# KiCad board bsl_drv_v1.kicad_pcb (continued)
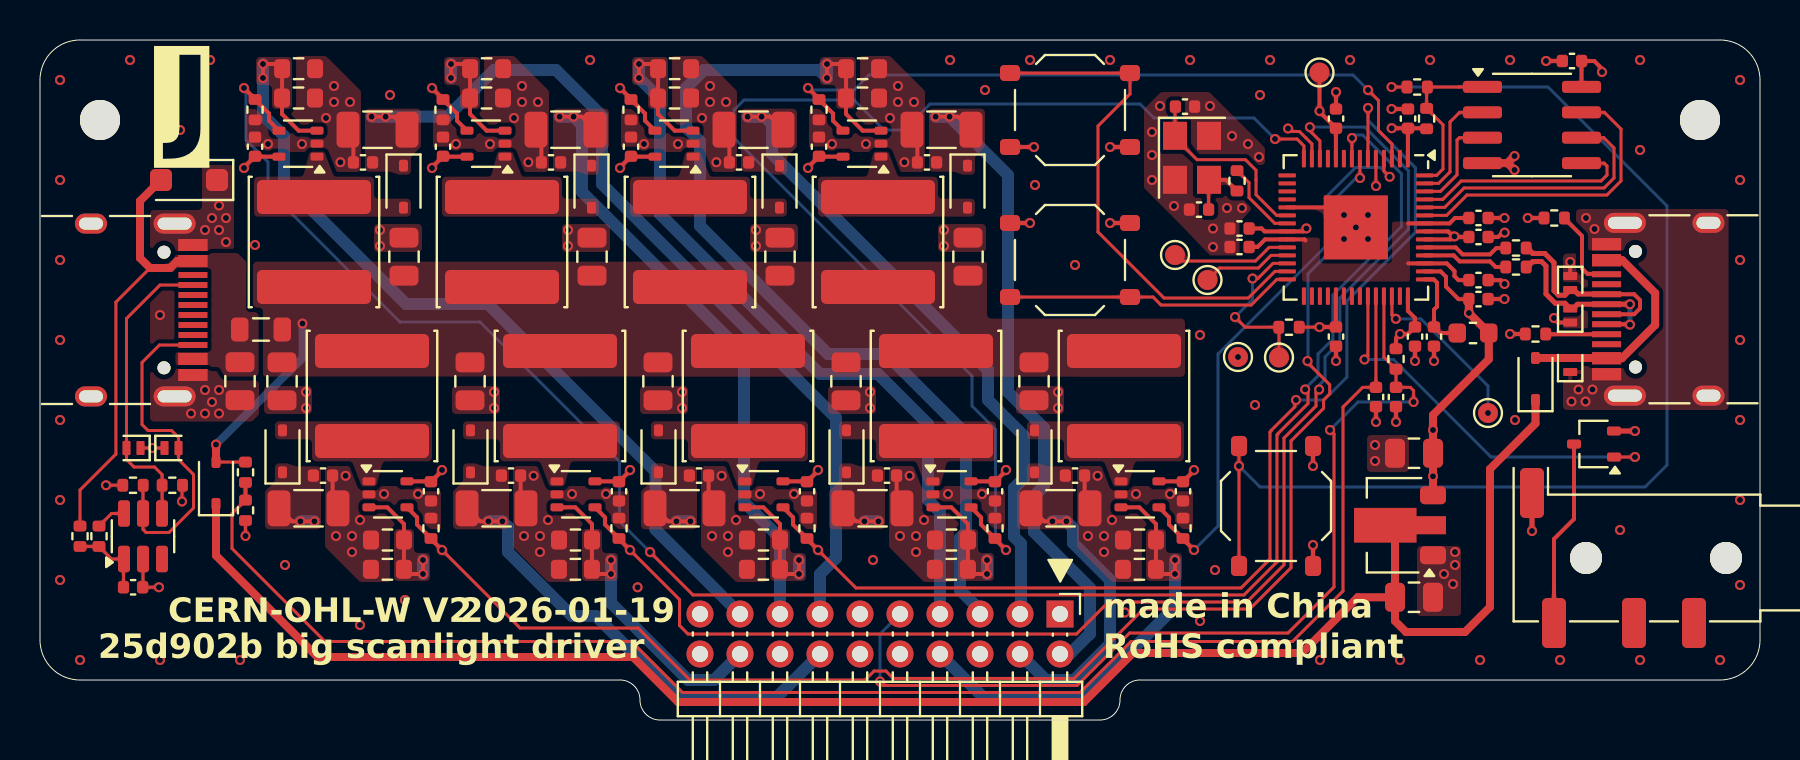
[diagram p0: board, top side]
## Routing (per net, layer and track width the routed paths; a pad name or vN(x,y) marks a point on that pad's centre or on a via; arc(x,y) is an arc through that point)
+1V1: length 9.7
  Top w0.15: 68.42,22.83 68.4,22.85 ; 68.41,24.83 68.4,24.82
  Top w0.2: C109.1 70.93,22 70.72,22.2 70.73,22.2 70.73,22.44 70.34,22.83 U102.45 68.42,22.83 ; C102.1 60.88,23.65 61.25,24.03 U102.23 63.22,24.03 63.27,23.98 ; C101.1 70.75,25.1 70.48,24.83 U102.50 68.41,24.83
+3V3: length 210.3
  Top w0.15: R104.2 63.97,19.64 v1(63.97,19.65)
  Top w0.2: 38.4,27.63 C1002.1 38.97,28.17 U1001.5 ; 38.4,27.63 v1(38.4,27.6) 38.4,27.63 ; 72.25,19.55 72.25,19.35 ; v1(57.7,12.5) 57.7,12.47 C302.1 57.13,11.94 U301.5 ; v1(29,27.6) 29,27.63 C502.1 29.57,28.17 U501.5 ; 70.75,24.15 70.65,24.15 ; 70.75,24.15 C107.1 ; 70.75,24.15 v1(70.72,24.18) 70.69,24.15 70.65,24.15 ; 70.65,24.15 70.53,24.03 U102.48 ; v1(63.32,24.58) 63.17,24.43 U102.22 61.23,24.43 61.08,24.58 60.46,24.58 C104.1 ; C110.1 70.92,21.05 70.3,21.67 70.3,22.16 70.03,22.43 U102.44 ; v1(29.5,12.5) 29.5,12.47 C602.1 28.93,11.94 U601.5 ; U102.42 68.39,20.46 68.75,20.1 C105.1 68.4,19.3 v1(68,19.3) 67.8,19.1 R109.1 ; U801.5 20.17,28.17 C802.1 19.6,27.63 v1(19.6,27.6) ; U102.1 68.39,29.59 C108.1 ; U701.5 38.33,11.94 C702.1 38.9,12.47 v1(38.9,12.5) ; U401.5 10.77,28.17 C402.1 10.2,27.63 ; U1101.5 19.53,11.94 C1102.1 20.1,12.47 v1(20.1,12.5) ; C108.1 v1(67.58,29.59) 67.57,29.6 ; C108.1 69.3,29.59 R105.1 ; U901.5 47.73,11.94 C902.1 48.3,12.47 v1(48.3,12.5) ; U102.10 64.8,29.58 C106.1 64.04,30.35 64.04,30.39 v1(63.97,30.45) TP101.1 ; U101.8 77.08,32.95 C112.1 77.71,32.95 78.1,32.56 v1(78.1,32.4) ; 70.65,24.18 70.4,24.43 U102.49 ; v1(63.97,19.65) 63.98,19.65 C103.1 64.8,19.66 U102.33
  Top w0.4: U202.3 v1(69.65,14.5) 69.65,15.25 72.44,18.04 FB101.1 ; C110.1 v1(71.45,20.35) 72.25,19.55
  In2.Cu w0.6: v1(63.32,24.58) 63.32,20.3 v1(63.97,19.65) 64.32,19.3 v1(68,19.3) 70.16,19.3 70.8,18.66 ; v1(63.97,30.45) 65.35,30.45 66.2,29.6 67.57,29.6 v1(67.58,29.59) 68.91,29.59 70.65,27.85 ; 70.65,24.25 v1(70.72,24.18) 70.72,24.16
  In2.Cu w1: 48.31,12.6 48.3,12.62 48.3,18.8 ; 37.48,14 38.93,12.55 ; 37.48,14 32.6,14 31.1,12.5 v1(29.5,12.5) 25.9,12.5 25.24,13.16 20.76,13.16 v1(20.1,12.5) ; 37.48,14 41.08,17.6 43.2,17.6 45.8,20.2 ; 48.3,18.8 52.8,18.8 57.7,13.9 v1(57.7,12.5) 58.7,11.5 68.96,11.5 v1(69.65,12.19) v1(69.65,14.5) 70.8,15.65 70.8,18.66 71.44,19.3 v1(71.44,20.35) 71.44,23.44 70.72,24.16 ; 48.3,18.8 46.9,20.2 45.8,20.2 ; v1(10.2,27.6) 11.1,26.7 15.5,26.7 16.4,27.6 v1(19.6,27.6) 20.5,26.7 25.4,26.7 26.3,27.6 v1(29,27.6) 29.9,26.7 35.2,26.7 36.1,27.6 v1(38.4,27.6) 45.8,20.2 ; v1(78.1,32.4) 75.7,30 72.8,30 70.65,27.85 70.65,24.25
/VBUS_SENSE: length 80
  Top w0.15: R108.1 9.6,10.32 9.6,8.58 14.25,3.93 29.58,3.93 32.12,1.38 52,1.38 54.55,3.93 62.63,3.93 65.15,6.45 65.15,15.65 66.13,16.63 C115.1 66.8,16.98 66.8,16.99 U102.38
  Top w0.2: R107.1 R108.1
GND: length 50
  Top w0.15: R108.2 v1(10.28,9.2) ; v1(5.95,6.64) C202.2 5.15,6.65 U201.2 ; D202.1 D203.1 ; v1(3.3,11.74) R203.1 ; R204.2 7.1,11.71 v1(7.1,10.93)
  Top w0.2: C503.2 34.47,29.25 C504.2 ; C604.2 24.03,10.86 C603.2 ; C904.2 42.83,10.86 C903.2 ; v1(68.75,17.95) C105.2 ; v1(73.23,24.37) 73.12,24.37 72.9,24.15 C107.2 ; C1103.2 14.63,10.86 C1104.2 ; C110.2 72.41,21.05 v1(73.22,21.05) ; v1(65.8,24.63) 64.8,25.63 U102.19 ; SW102.1 v1(53.5,24.85) ; v1(76.51,22.9) D206.1 ; v1(67.58,30.55) C108.2 ; C403.2 15.67,29.25 C404.2 ; 59.42,24.5 C104.2 ; C304.2 52.23,10.86 C303.2 ; v1(67.8,14.9) C116.2 ; SW103.1 v1(49.7,28.65) ; C703.2 33.43,10.86 C704.2 ; C103.2 v1(64.8,17.95) ; C804.2 25.07,29.25 C803.2 ; R206.2 v1(73.5,19.3) ; v1(74.39,25.1) R205.1 ; D207.1 75.92,19.88 v1(75.7,20.1) ; v1(69.7,17.95) C111.2 ; SW103.1 v1(53.5,28.65) ; C109.2 73.03,22 v1(73.23,21.8) ; 59.4,23.55 59.5,23.65 ; SW102.1 v1(49.5,24.85) ; C106.2 v1(64.8,31.4) ; SW101.1 v1(63.65,12.7) ; C1004.2 43.87,29.25 C1003.2 ; C101.2 v1(73.22,25.1) ; SW101.1 v1(63.65,8.75) ; C112.2 v1(75.3,32.95) ; v1(66.8,14.9) C115.2
  Top w0.25: Q101.2 v1(79.75,14.45) ; J102.S v1(74.6,9.45)
  Top w0.4: U101.4 73.37,27.85 ; 73.37,27.85 73.38,27.85 v1(73.72,27.5) ; 73.37,27.85 v1(73.72,28.2)
  vias: v1(1,32) v1(1,27) v1(1,23) v1(1,19) v1(1,15) v1(1,11) v1(1,7) v1(2,3) v1(4.5,33) v1(5.62,13.6) v1(6,20.25) v1(6,3) v1(7,29.5) v1(7.55,15.33) v1(8.25,24.5) v1(8.25,16.5) v1(8.25,15.33) v1(8.5,33) v1(8.6,25.1) v1(8.6,15.9) v1(8.95,25.73) v1(8.95,24.5) v1(8.95,16.5) v1(8.95,15.33) v1(9.3,25.1) v1(9.3,23.9) v1(10,3) v1(10.75,23.75) v1(11.4,28.8) v1(12.25,7.75) v1(13.1,28.8) v1(13.3,16.4) v1(13.3,15.6) v1(14.3,30.1) v1(14.7,31.7) v1(14.7,30.9) v1(14.8,9.2) v1(15.02,27.89) v1(15.28,12.21) v1(15.5,30.9) v1(15.6,9.2) v1(15.6,8.4) v1(16,10) v1(16,4.75) v1(17,24.5) v1(17,23.7) v1(17.2,11.3) v1(17.5,31.25) v1(18.25,6) v1(18.9,11.3) v1(20.8,28.8) v1(22.5,28.8) v1(22.7,16.4) v1(22.7,15.6) v1(23.7,30.1) v1(24.1,31.7) v1(24.1,30.9) v1(24.2,9.2) v1(24.42,27.89) v1(24.68,12.21) v1(24.9,30.9) v1(25,9.2) v1(25,8.4) v1(25.4,10) v1(26.4,24.5) v1(26.4,23.7) v1(26.6,11.3) v1(27.5,33) v1(28.3,11.3) v1(29.88,6.64) v1(30.2,28.8) v1(31.9,28.8) v1(32.1,16.4) v1(32.1,15.6) v1(33.1,30.1) v1(33.5,31.7) v1(33.5,30.9) v1(33.6,9.2) v1(33.82,27.89) v1(34.08,12.21) v1(34.3,30.9) v1(34.4,9.2) v1(34.4,8.4) v1(34.8,10) v1(35.8,24.5) v1(35.8,23.7) v1(36,11.3) v1(37.7,11.3) v1(39.6,28.8) v1(41.3,28.8) v1(41.5,16.4) v1(41.5,15.6) v1(41.65,8) v1(42.5,30.1) v1(42.9,31.7) v1(42.9,30.9) v1(43,9.2) v1(43.22,27.89) v1(43.48,12.21) v1(43.7,30.9) v1(43.8,9.2) v1(43.8,8.4) v1(44.2,10) v1(45.2,24.5) v1(45.2,23.7) v1(45.4,11.3) v1(45.5,33) v1(47.1,11.3) v1(47.25,31.5) v1(49.5,33) v1(49.75,26.75) v1(50.9,16.4) v1(50.9,15.6) v1(51.75,22.75) v1(52.4,9.2) v1(52.88,12.21) v1(53.2,9.2) v1(53.2,8.4) v1(53.5,33) v1(53.6,10) v1(54.25,5.38) v1(54.8,11.3) v1(55.6,29.4) v1(55.6,28.25) v1(55.6,27) v1(56,30.7) v1(56.5,11.3) v1(56.7,25.7) v1(57.5,33) v1(58,19.25) v1(58,4.95) v1(58.5,30.7) v1(58.65,24.58) v1(58.65,23.65) v1(58.75,7.5) v1(59.35,25.6) v1(59.6,29.2) v1(59.9,18.15) v1(60.1,25.6) v1(60.4,28.8) v1(60.75,15.75) v1(61,31.25) v1(60.95,28.15) v1(61.5,33) v1(64,3) v1(65.2,25.25) v1(65.2,24.05) v1(65.5,33) v1(66.4,25.25) v1(66.4,24.05) v1(66.75,13.75) v1(66.75,12.95) v1(68,3) v1(69.5,33) v1(70.2,7.3) v1(70.65,6.8) v1(70.75,8.4) v1(70.75,7.75) v1(72,3) v1(73.5,33) v1(73.75,15) v1(76,3) v1(76.58,15.93) v1(76.93,16.53) v1(77.3,25.1) v1(77.28,15.93) v1(77.63,16.53) v1(77.73,24.55) v1(79,9.5) v1(80,33) v1(80,28.5) v1(80,3) v1(84,3) v1(85,32) v1(85,27) v1(85,23) v1(85,19) v1(85,15) v1(85,11) v1(85,6.75)
VBUS: length 10.2
  Top w0.15: R107.2 10.27,12.9 D204.2
  Top w0.4: D204.2 v1(8.8,13.78)
  Bottom w0.4: v1(13.13,19.83) 13.13,18.1 v1(8.8,13.78)
VDDA: length 4.3
  Top w0.2: U102.43 69.69,22.03 69.85,21.87 69.85,20.67 69.7,20.52 C111.1 70,19.35 FB101.2
/B1: length 56.7
  Top w0.15: v1(62.8,16) 62.74,15.94 62.74,15.66 61.55,14.47 61.55,14.44 61.5,14.39 61.5,8.05 60.05,6.6 40.8,6.6 v1(38.9,8.5) ; v1(66.4,30.6) 66.4,29.1 66.4,29.1 U102.6
  Top w0.2: v1(38.9,8.5) 38.35,9.05 R701.1 37.65,9.78 37.65,10.13 37.15,10.64
  Bottom w0.15: v1(66.4,30.6) 66.4,29.98 68.77,27.61 68.77,24.38 65.34,20.95 65.34,17.14 64.2,16 64.18,16 64.18,16 63.74,16 v1(62.8,16)
/B1+: length 38.4
  Top w0.2: C704.1 31.4,9.94 v1(31.82,9.94) v1(32.52,9.94)
  In2.Cu w0.6: J101.6 48.3,2 51.7,2 52.5,2.8 52.5,6.8 49,10.3 46.6,10.3 46.35,10.55 46.35,11.55 44.94,12.96 43.11,12.96 40.65,10.5 35.5,10.5 35.2,10.8 33.8,10.8 32.94,9.94 v1(32.52,9.94) v1(31.82,9.94)
  Bottom w0.6: v1(31.82,9.94) v1(32.52,9.94)
/B1-: length 64.9
  Top w0.2: v1(37.95,8) v1(37.95,7.3) 37.23,7.3 R702.1 ; 37.01,7.55 R702.1 ; R702.1 37,9 R703.1 37,9.8 36.17,10.64 35.25,10.64
  In2.Cu w0.6: 37.65,7.6 37.65,7.7 v1(37.95,8) v1(37.95,7.3) 37.65,7.6 ; 37.65,7.6 32.7,7.6 30.9,9.4 30.9,10.57 33.29,12.96 34.39,12.96 35.15,12.2 37.86,12.2 38.51,11.55 40.4,11.55 42.75,13.9 45.6,13.9 47.9,11.6 51.6,11.6 52.3,10.9 53.76,10.9 54.35,10.31 54.35,7.75 53.5,6.9 53.5,2.4 52.1,1 45.3,1 J101.10
  Bottom w0.6: v1(37.95,7.3) v1(37.95,8)
/B2: length 51.2
  Top w0.15: v1(62.4,29.58) 62.55,29.43 62.97,29.43 63.28,29.12 63.28,29.12 63.6,28.81 U102.13
  Top w0.2: U801.4 20.85,29.97 20.85,30.33 R801.1 20.15,31.05 v1(19.6,31.6)
  In2.Cu w0.15: v1(19.6,31.6) 21.8,29.4 28.6,29.4 29.73,28.27 33.17,28.27 33.6,28.7 38.88,28.7 39.3,28.27 41.57,28.27 42,28.7 48.4,28.7 49.45,27.65 56.15,27.65 58.23,29.73 62.25,29.73 v1(62.4,29.58)
/B2+: length 31.9
  Top w0.2: C804.1 27.1,30.17 v1(26.68,30.17) v1(25.98,30.17)
  Bottom w0.6: J101.15 37,9.1 35.2,10.9 35.2,18.3 27.1,26.4 27.1,29.75 v1(26.68,30.17) v1(25.98,30.17)
/B2-: length 60.7
  Top w0.2: R802.1 21.51,31.11 R803.1 21.5,30.3 22.34,29.47 U801.3 ; R802.1 21.49,32.55 ; R802.1 21.27,32.8 v1(20.55,32.8) v1(20.55,32.1)
  In2.Cu w0.6: 20.15,32.5 v1(20.55,32.1) v1(20.55,32.8) 20.45,32.8 20.15,32.5 ; 20.15,32.5 13.3,32.5 9,28.2 9,27.06 18,18.06 18,10.9 19.5,9.4 21.13,9.4 25.33,5.2 30.75,5.2 32.65,3.3 J101.20
  Bottom w0.6: v1(20.55,32.8) v1(20.55,32.1)
/BUTTON_1: length 14.6
  Top w0.15: U102.28 61.84,22.03 60.56,20.75 56.05,20.75 55.65,21.15 SW102.2 SW102.2
/BUTTON_2: length 26
  Top w0.15: U102.27 61.74,22.43 60.41,21.1 56.2,21.1 52.9,24.4 52.9,29.7 54.5,31.3 SW103.2 SW103.2
/G1: length 44.9
  Top w0.15: U102.5 66.8,26.71 v1(66.8,26.7)
  Top w0.2: U501.4 30.25,29.97 30.25,30.33 R501.1 29.55,31.05 v1(29,31.6)
  In2.Cu w0.15: v1(29,31.6) 31.1,29.5 54.5,29.5 55.1,30.1 62.62,30.1 62.97,29.75 62.97,29.43 64.77,27.63 66.22,27.63 66.78,27.07 66.78,26.73 v1(66.8,26.7)
/G1+: length 33.5
  Top w0.2: C504.1 36.5,30.17 v1(36.08,30.17) v1(35.38,30.17)
  Bottom w0.6: J101.3 49.05,5.35 49.05,8.81 48.7,9.16 48.7,11.6 49.2,12.1 49.2,14.2 47.4,16 47.4,17.5 36.6,28.3 36.6,29.8 36.24,30.17 v1(36.08,30.17) v1(35.38,30.17)
/G1-: length 41.6
  Top w0.2: U501.3 31.73,29.47 30.9,30.3 R502.1 30.91,31.11 R503.1 ; R503.1 30.67,32.8 v1(29.95,32.8) v1(29.95,32.1) ; R503.1 30.89,32.55
  Bottom w0.6: J101.7 45,10.4 44.4,11 44.4,14.8 41.9,17.3 39,17.3 31,25.3 31,31.05 v1(29.95,32.1) v1(29.95,32.8)
/G2: length 69.4
  Top w0.15: v1(63.96,16.53) 63.8,16.37 63.8,15.7 62.2,14.1 62.2,7.76 60.34,5.9 53.43,5.9 51.83,4.3 32.4,4.3 31.98,4.73 31.98,6.03 v1(29.5,8.5) ; v1(63.49,29.64) 63.49,29.46 64,28.96 U102.12
  Top w0.2: v1(29.5,8.5) 28.95,9.05 R601.1 28.25,9.78 28.25,10.13 27.75,10.64
  Bottom w0.15: v1(63.96,16.53) 63.96,16.74 64.25,17.03 64.25,18.15 64.99,18.9 64.99,21.1 68.42,24.52 68.42,27.46 66.24,29.64 v1(63.49,29.64)
/G2+: length 24
  Top w0.2: C604.1 22,9.94 v1(22.42,9.94) v1(23.12,9.94)
  Bottom w0.6: v1(22.42,9.94) v1(23.12,9.94) 23.4,9.66 23.4,8.4 26.6,5.2 27.8,5.2 32,1 36.7,1 J101.14
/G2-: length 16.9
  Top w0.2: 25.85,10.64 26.77,10.64 27.6,9.8 R602.1 27.59,9 R603.1 ; R603.1 27.83,7.3 v1(28.55,7.3) v1(28.55,8) ; R603.1 27.61,7.55
  Bottom w0.6: v1(28.55,8) v1(28.55,7.3) 28.55,5.85 32.4,2 33.7,2 J101.18
/IR: length 61.9
  Top w0.15: U102.14 63.19,28.71 62.85,29.05 v1(61.75,29.05)
  Top w0.2: v1(48.3,8.5) 47.75,9.05 R901.1 47.05,9.78 47.05,10.13 46.55,10.64
  Bottom w0.15: v1(48.3,8.5) 47.77,9.03 47.77,14.53 46.6,15.7 46.6,17.2 34.7,29.1 34.7,30.5 35.2,31 40.7,31 42.2,29.5 43.2,29.5 44.5,30.8 55,30.8 55.7,30.1 60.7,30.1 v1(61.75,29.05)
/IR+: length 16
  Top w0.2: C904.1 40.8,9.94 v1(41.22,9.94) v1(41.92,9.94)
  In2.Cu w0.6: J101.1 51,6.86 48.56,9.3 46.2,9.3 44.75,10.75 42.74,10.75 v1(41.92,9.94) v1(41.22,9.94)
  Bottom w0.6: v1(41.22,9.94) v1(41.92,9.94)
/IR-: length 22.7
  Top w0.2: 44.65,10.64 45.57,10.64 46.4,9.8 R902.1 46.39,9 R903.1 ; v1(47.35,8) v1(47.35,7.3) 46.63,7.3 R903.1 ; R903.1 46.41,7.55
  In2.Cu w0.6: v1(47.35,8) v1(47.35,7.3) 46.53,6.48 34.18,6.48 J101.19
  Bottom w0.6: v1(47.35,7.3) v1(47.35,8)
/QSPI_SS: length 8.3
  Top w0.15: U101.1 70.95,31.66 70.95,31.65 R103.2 69.33,31.61 R105.2 70.15,29.76 70.15,27.55 69.83,27.23 U102.56
/R1: length 28.3
  Top w0.15: U102.4 67.19,27.45 v1(67.48,27.16)
  Top w0.2: 55.95,10.64 56.45,10.13 56.45,9.78 R301.1 57.15,9.05 v1(57.7,8.5)
  Bottom w0.15: v1(67.48,27.16) 67.02,27.63 65.78,27.63 64.25,26.09 64.25,23.65 58.9,18.3 58.9,9.7 v1(57.7,8.5)
/R1+: length 15.6
  Top w0.2: 49.55,10.59 50.2,9.94 v1(50.62,9.94) v1(51.32,9.94)
  Bottom w0.6: J101.4 50.3,2 51.7,2 53.5,3.8 53.5,7 51.65,8.85 51.65,9.61 v1(51.32,9.94) v1(50.62,9.94)
/R1-: length 23
  Top w0.2: R302.1 56.03,7.3 v1(56.75,7.3) v1(56.75,8) ; R302.1 55.8,9 R303.1 55.8,9.8 54.97,10.64 54.05,10.64 ; R302.1 55.81,7.55
  Bottom w0.6: J101.8 47.2,1.1 52.2,1.1 56.75,5.65 v1(56.75,7.3) v1(56.75,8)
/R2: length 96.2
  Top w0.15: v1(30.5,8.4) 32.65,6.25 60.2,6.25 61.85,7.9 61.85,14.25 61.9,14.3 61.9,14.32 63.4,15.82 63.4,16.39 v1(63.26,16.53) ; v1(65.6,29.1) 65.59,29.09 U102.8
  Top w0.2: U401.4 11.45,29.97 11.45,30.33 R401.1 10.75,31.05 v1(10.2,31.6)
  Bottom w0.15: v1(63.26,16.53) 63.35,16.62 63.35,16.66 63.9,17.21 63.9,18.3 64.64,19.04 64.64,21.24 68.07,24.67 68.07,27.32 66.14,29.25 65.75,29.25 v1(65.6,29.1) ; v1(30.5,8.4) 28.97,9.93 28.97,12.93 22,19.9 18,19.9 11.4,26.5 11.4,27.9 10.3,29 10.3,31.5 v1(10.2,31.6)
/R2+: length 45.6
  Top w0.2: v1(16.58,30.17) v1(17.28,30.17) 17.7,30.17 C404.1
  Bottom w0.6: v1(16.58,30.17) v1(17.28,30.17) 20.37,30.17 22.7,32.5 25.8,32.5 28.1,30.2 28.1,26.8 39.8,15.1 39.8,8.1 39,7.3 J101.13
/R2-: length 45.9
  Top w0.2: v1(11.15,32.1) v1(11.15,32.8) 11.87,32.8 R403.1 ; R403.1 12.11,31.11 R402.1 12.1,30.3 12.94,29.47 U401.3 ; R403.1 12.09,32.55
  Bottom w0.6: v1(11.15,32.8) v1(11.15,32.1) 11.15,30.25 12.2,29.2 12.2,26.9 18.3,20.8 22.4,20.8 30.78,12.43 30.78,9.53 J101.17
/SHUTTER: length 19.8
  Top w0.15: Q101.1 v1(79.75,13.15) ; U102.37 66.4,18.2 v1(66.23,18.03)
  Bottom w0.15: v1(79.75,13.15) 72.55,13.15 67.68,18.03 v1(66.23,18.03)
/TH: length 47.6
  Top w0.15: v1(64.5,14.5) 64.7,14.3 64.7,6.65 62.4,4.35 54.48,4.35 51.88,1.75 51.87,1.75 51.85,1.73 42.17,1.73 42,1.9 v1(42,1.93) ; U102.39 67.19,18.15 R109.2 C116.1 68.52,16.63 68.68,16.47 v1(68.68,15.9)
  Bottom w0.15: J101.9 42,4.3 v1(42,1.93) ; v1(64.5,14.5) 65.9,15.9 v1(68.68,15.9)
/usb ports/USB_N: length 9.4
  Top w0.2: v1(79.5,19.77) 79.48,19.79 J202.B7
  Top w0.25: v1(79.5,20.79) J202.A7 76.87,20.79 76.66,20.58 D207.2 76.25,20.84 75.76,20.84 75.3,21.3 75.3,22.7 75.08,22.93 74.63,22.93 74.36,22.65 R101.2
  Bottom w0.25: v1(79.5,19.77) v1(79.5,20.79)
/usb ports/USB_P: length 10
  Top w0.2: J202.A6 79.71,20.29 80,20.58 80,21 79.71,21.29 J202.B6
  Top w0.25: J202.B6 78.32,21.3 76.9,21.3 76.7,21.5 D206.2 76.25,21.24 75.93,21.24 75.7,21.47 75.7,22.87 75.24,23.33 74.63,23.33 74.36,23.6 R102.1
/USB_X_N: length 4.3
  Top w0.2: 69.23,23.23 70.68,23.23 70.98,22.93 72.5,22.93 72.78,22.65 R101.1
/USB_X_P: length 4.3
  Top w0.2: R102.2 72.82,23.6 72.5,23.28 71.13,23.28 70.78,23.63 U102.47
/W1: length 35.5
  Top w0.15: v1(66.4,31.5) 66.93,30.97 66.93,29.47 67.59,28.81 U102.3
  Top w0.2: v1(38.4,31.6) 38.95,31.05 R1001.1 39.65,30.33 39.65,29.97 U1001.4
  Bottom w0.15: v1(38.4,31.6) 38.5,31.5 40.7,31.5 41.45,32.25 65.65,32.25 v1(66.4,31.5)
/W1+: length 33.8
  Top w0.2: C1004.1 45.9,30.17 v1(45.48,30.17) v1(44.78,30.17)
  Bottom w0.6: J101.2 51.49,3.3 52.5,4.31 52.5,6.6 49.7,9.4 49.7,11.2 50.2,11.7 50.2,14.6 48.4,16.4 48.4,27.25 v1(45.48,30.17) v1(44.78,30.17)
/W1-: length 49.2
  Top w0.2: v1(39.35,32.1) v1(39.35,32.8) 40.07,32.8 R1002.1 ; R1002.1 40.31,31.11 R1003.1 40.3,30.3 41.14,29.47 U1001.3 ; R1002.1 40.29,32.55
  Bottom w0.6: J101.5 47,5.5 46,6.5 46,9.1 46.3,9.4 46.3,14.3 42.3,18.3 39.4,18.3 33,24.7 33,28.93 32.3,29.63 32.3,31.6 33.2,32.5 39.05,32.5 ; 39.05,32.5 39.05,32.4 v1(39.35,32.1) v1(39.35,32.8) 39.05,32.5
/W2: length 73.6
  Top w0.15: v1(20.1,8.5) 24,4.6 29.9,4.6 32.5,2 41.26,2 41.71,2.45 42.29,2.45 42.67,2.08 51.7,2.08 55.17,5.55 60.49,5.55 62.55,7.61 62.55,13.95 64.18,15.58 64.18,16 64.48,16.31 64.48,16.77 63.37,17.88 v1(63.37,17.95) ; v1(66,27.1) 66,27.11 U102.7
  Top w0.2: v1(20.1,8.5) 19.55,9.05 R1101.1 18.85,9.78 18.85,10.13 18.35,10.64
  Bottom w0.15: v1(66,27.1) 65.8,27.1 64.6,25.9 64.6,23.5 63.4,22.3 63.4,17.98 v1(63.37,17.95)
/W2+: length 36.5
  Top w0.2: v1(13.72,9.94) v1(13.02,9.94) 12.6,9.94 C1104.1
  In2.Cu w0.6: J101.12 38.7,1 32,1 29.9,3.1 19.84,3.1 14.05,8.89 14.05,9.61 v1(13.72,9.94) ; v1(13.72,9.94) v1(13.02,9.94) v1(13.72,9.94)
  Bottom w0.6: v1(13.02,9.94) v1(13.72,9.94)
/W2-: length 29.3
  Top w0.2: R1102.1 18.2,9 R1103.1 18.2,9.8 17.37,10.64 16.45,10.64 ; R1102.1 18.21,7.55 ; R1102.1 18.43,7.3 v1(19.15,7.3) v1(19.15,8)
  In2.Cu w0.6: J101.16 35.7,2 32.4,2 30.3,4.1 20.3,4.1 19.15,5.25 v1(19.15,7.3) v1(19.15,8)
  Bottom w0.6: v1(19.15,8) v1(19.15,7.3)
Net-(C114-Pad2): length 3.1
  Top w0.15: Y101.3 58.43,26.99 C114.2
  Top w0.2: Y101.3 59.29,27.01 R106.1
Net-(D201-A2): length 24.2
  Top w0.15: J201.A4 7.03,22.95 ; J201.A4 7.04,22.95 ; J201.A4 6.98,22.95 ; J201.A4 7,22.95 ; 5.5,22.6 3.8,20.9 3.8,13.3 2,11.5 R201.2
  Top w0.4: D201.2 5,25.95 5,23.1 5.5,22.6 6.51,22.6 6.86,22.95 J201.A4
Net-(D202-A2): length 17.6
  Top w0.15: 5.16,11.89 5.15,11.88 U201.5 5.15,9.53 5.3,9.38 6.45,9.38 7.68,10.6 7.68,12.28 6.92,13.03 D202.2 ; D202.2 6.92,14.13 6.58,14.48 5.4,14.48 5.1,14.78 5.1,17.88 5.98,18.75 J201.B5 ; D202.2 6.87,13.6 6.85,13.62 ; D202.2 6.82,13.5
Net-(D203-A2): length 15.1
  Top w0.15: D203.2 4.33,13.03 4.7,12.65 5.73,12.65 6.1,12.27 R204.1 6.1,10.33 U201.4 ; D203.2 4.33,13.6 ; D203.2 4.33,20.08 6,21.75 J201.A5
Net-(D204-K): length 88.3
  Top w0.4: C203.1 65.89,6.14 63.1,3.35 54.65,3.35 52.2,0.9 31.9,0.9 29.65,3.15 13.88,3.15 8.8,8.23 D204.1 ; C203.1 67.75,9.74 ; C203.1 67.75,4.95 68.3,4.4 71.25,4.4 72.5,5.65 72.5,12.55 74.77,14.83 D205.1
Net-(D205-A): length 11.4
  Top w0.4: J202.A9 79.12,22.99 80.76,21.34 80.76,19.75 79.1,18.09 J202.A4 78.32,18.1 D208.2 D205.2
Net-(J202-CC1): length 3
  Top w0.2: J202.A5 75.5,19.29 75.48,19.3 R206.1
Net-(J202-CC2): length 4.2
  Top w0.2: R205.2 76.22,25.08 77.1,24.2 77.1,22.59 77.38,22.31 78.31,22.31
Net-(Q101-D): length 9.4
  Top w0.2: Q101.3 76.7,10.05 75.7,9.05 J102.T
Net-(R103-Pad1): length 58.3
  Top w0.15: SW101.2 v1(59.95,12.7) SW101.2 ; R103.1 v1(67.58,31.65)
  Bottom w0.15: v1(67.58,31.65) 75.4,31.65 81.35,25.7 81.35,12.75 80.25,11.65 61,11.65 v1(59.95,12.7)
Net-(U101-CLK): length 13.4
  Top w0.15: U102.52 70.23,25.63 71.2,26.6 78.2,26.6 78.7,27.1 78.7,28.6 78.19,29.12 U101.6
Net-(U101-DI/IO_{0}): length 11.4
  Top w0.15: U102.53 70.14,26.03 71.06,26.95 78.05,26.95 78.35,27.25 78.35,27.7 78.2,27.85 U101.5
Net-(U101-DO/IO_{1}): length 5.8
  Top w0.15: U101.2 70.98,30.39 70.5,29.9 70.5,27.4 69.93,26.83 U102.55
Net-(U101-~{HOLD}/~{RESET}/IO_{3}): length 15.4
  Top w0.15: U101.7 78.22,30.39 79.05,29.55 79.05,26.95 78.35,26.25 71.35,26.25 70.33,25.23 U102.51
Net-(U101-~{WP}/IO_{2}): length 5
  Top w0.15: U102.54 70.02,26.43 70.85,27.26 70.85,29 70.97,29.12 U101.3
Net-(U102-GPIO28_ADC2): length 8.6
  Top w0.15: v1(67.79,20.06) 67.59,20.26 U102.40
  Bottom w0.15: v1(67.79,20.06) 69.04,20.06 72.4,16.7 v1(72.4,15.35)
Net-(U102-RUN): length 8.3
  Top w0.15: v1(59.75,20.15) 60.26,19.64 R104.1 ; U102.26 61.65,22.83 60.89,22.07 v1(60.63,22.07) ; TP102.1 61.95,19.63
  Top w0.2: 61.95,19.63 R104.1
  Bottom w0.15: v1(59.75,20.15) 60.63,21.02 v1(60.63,22.07)
Net-(U102-SWCLK): length 6
  Top w0.15: TP103.1 57.05,22.95 60.77,22.95 61.45,23.63 U102.24
Net-(U102-SWD): length 4.5
  Top w0.15: TP104.1 58.97,22.6 60.92,22.6 61.55,23.23 U102.25
Net-(U102-XIN): length 9.5
  Top w0.15: C113.2 56.75,30.65 Y101.1 56.75,29.11 57.85,28.02 60.27,28.02 60.8,27.49 60.8,27.02 60.8,26.27 61.84,25.23 U102.20
Net-(U102-XOUT): length 4
  Top w0.15: R106.2 60.45,26.87 60.45,26.12 61.74,24.83 U102.21
Net-(U201-CFG): length 1.5
  Top w0.15: R202.1 3.58,10.33 U201.6
Net-(U201-VDD): length 4
  Top w0.15: 4.17,6.49 4.17,8.02 U201.1 3.58,8.05 R202.2 R201.1

## Copper pours and planes (outline as drawn; the poured copper is in the pictures)
+1V1 on Top: 68.5,24.92 64.38,24.92 64.38,24.12 63.1,24.12 63.1,21.92 68.5,21.92
GND on Top: 8.1,27.75 8.1,25.5 5.5,25.5 5.5,14.93 10.6,14.93 10.95,15.28 10.95,16.98 9.7,16.98 9.7,27.75
GND on Top: 34.85,31.45 33.1,33.2 29.05,33.2 29.05,28.4 32.1,28.4 33.29,27.97 33.6,27.4 34.85,27.4
GND on Top: 14.25,8.65 16,6.9 20.05,6.9 20.05,11.7 17,11.7 15.81,12.13 15.5,12.7 14.25,12.7
GND on Top: 76.15,23.33 76.8,23.33 76.8,25.55 84.43,25.55 84.43,15.5 76.15,15.5
GND on Top: 68.85,8.7 68.85,5.2 71.05,5.2 71.05,8.7
GND on Top: 33.05,8.65 34.8,6.9 38.85,6.9 38.85,11.7 35.8,11.7 34.61,12.13 34.3,12.7 33.05,12.7
GND on Top: 51.85,8.65 53.6,6.9 57.65,6.9 57.65,11.7 54.6,11.7 53.41,12.13 53.1,12.7 51.85,12.7
GND on Top: 16.05,31.45 14.3,33.2 10.25,33.2 10.25,28.4 13.3,28.4 14.49,27.97 14.8,27.4 16.05,27.4
GND on Top: 44.25,31.45 42.5,33.2 38.45,33.2 38.45,28.4 41.5,28.4 42.69,27.97 43,27.4 44.25,27.4
GND on Top: 66.35,14.25 66.35,12.4 68.45,12.4 68.45,14.25
GND on Top: 56.05,31.4 55.2,30.55 55.2,26.6 56.88,24.93 58.53,23.2 59.98,23.2 59.98,24.88 60.57,25.53 60.55,27.75 61.25,27.75 61.25,28.61 58.46,31.4
GND on Top: 25.45,31.45 23.7,33.2 19.65,33.2 19.65,28.4 22.7,28.4 23.89,27.97 24.2,27.4 25.45,27.4
GND on Top: 23.65,8.65 25.4,6.9 29.45,6.9 29.45,11.7 26.4,11.7 25.21,12.13 24.9,12.7 23.65,12.7
GND on Top: 42.45,8.65 44.2,6.9 48.25,6.9 48.25,11.7 45.2,11.7 44.01,12.13 43.7,12.7 42.45,12.7
GND on Top, In2.Cu: 37.9,24.8 35.5,24.8 35.5,23.4 37.9,23.4
GND on Top, In2.Cu: 28.5,24.8 26.1,24.8 26.1,23.4 28.5,23.4
GND on Top, In2.Cu: 48.8,15.3 51.2,15.3 51.2,16.7 48.8,16.7
GND on Top, In2.Cu: 30,15.3 32.4,15.3 32.4,16.7 30,16.7
GND on Top, In2.Cu: 47.3,24.8 44.9,24.8 44.9,23.4 47.3,23.4
GND on Top, In2.Cu: 11.2,15.3 13.6,15.3 13.6,16.7 11.2,16.7
GND on Top, In2.Cu: 20.6,15.3 23,15.3 23,16.7 20.6,16.7
GND on Top, In2.Cu: 39.4,15.3 41.8,15.3 41.8,16.7 39.4,16.7
GND on Top, In2.Cu: 19.1,24.8 16.7,24.8 16.7,23.4 19.1,23.4
GND on Bottom, In1.Cu, In2.Cu: 88.3,35.5 88.3,-6.4 -4.4,-6.4 -4.4,35.5
VBUS on Top: 29.95,17.19 38.45,17.19 38.45,19.49 29.95,19.49
VBUS on Top: 21.05,17.19 29.05,17.19 29.05,19.49 21.05,19.49
VBUS on Top: 57.25,20.08 47.35,20.08 47.35,22.92 10.65,22.92 10.65,20.62 11.15,20.62 11.15,17.18 57.25,17.16
VBUS on Top: 20.55,17.19 29.05,17.19 29.05,19.49 20.55,19.49
VBUS on Top: 28.55,22.92 20.05,22.92 20.05,20.62 28.55,20.62
VBUS on Top: 11.15,17.19 19.65,17.19 19.65,19.49 11.15,19.49
VBUS on Top: 39.35,17.19 47.85,17.19 47.85,19.49 39.35,19.49
VBUS on Top: 28.58,22.89 20.58,22.89 20.58,20.59 28.58,20.59
VBUS on Top: 19.15,22.92 10.65,22.92 10.65,20.61 19.15,20.62
VBUS on Top: 48.75,17.19 57.25,17.19 57.25,19.49 48.75,19.49
VBUS on Top: 37.95,22.92 29.45,22.92 29.45,20.62 37.95,20.62
VBUS on Top: 39.35,17.19 47.85,17.19 47.85,19.49 39.35,19.49
VBUS on Top: 47.35,22.92 38.85,22.92 38.85,20.62 47.35,20.62
/B1+ on Top: 30.05,9.54 32.85,9.54 32.85,12.69 31.6,12.69 31.15,12.84 30.55,12.84 30.55,11.94 30.05,11.44
/B1- on Top: 36.5,6.95 38.3,6.95 38.3,8.35 37.5,8.35 37.5,9.55 36.5,9.55
/B2+ on Top: 28.45,30.57 25.65,30.57 25.65,27.42 26.9,27.42 27.35,27.27 27.95,27.27 27.95,28.17 28.45,28.67
/B2- on Top: 22,33.15 20.2,33.15 20.2,31.75 21,31.75 21,30.55 22,30.55
/G1+ on Top: 37.85,30.57 35.05,30.57 35.05,27.42 36.3,27.42 36.75,27.27 37.35,27.27 37.35,28.17 37.85,28.67
/G1- on Top: 31.4,33.15 29.6,33.15 29.6,31.75 30.4,31.75 30.4,30.55 31.4,30.55
/G2+ on Top: 20.65,9.54 23.45,9.54 23.45,12.69 22.2,12.69 21.75,12.84 21.15,12.84 21.15,11.94 20.65,11.44
/G2- on Top: 27.1,6.95 28.9,6.95 28.9,8.35 28.1,8.35 28.1,9.55 27.1,9.55
/IR+ on Top: 39.45,9.54 42.25,9.54 42.25,12.69 41,12.69 40.55,12.84 39.95,12.84 39.95,11.94 39.45,11.44
/IR- on Top: 45.9,6.95 47.7,6.95 47.7,8.35 46.9,8.35 46.9,9.55 45.9,9.55
/R1+ on Top: 48.85,9.53 51.65,9.53 51.65,12.69 50.4,12.69 49.95,12.84 49.35,12.84 49.35,11.94 48.85,11.44
/R1- on Top: 55.3,6.95 57.1,6.95 57.1,8.35 56.3,8.35 56.3,9.55 55.3,9.55
/R2+ on Top: 19.05,30.57 16.25,30.57 16.25,27.42 17.5,27.42 17.95,27.27 18.55,27.27 18.55,28.17 19.05,28.67
/R2- on Top: 12.6,33.15 10.8,33.15 10.8,31.75 11.6,31.75 11.6,30.55 12.6,30.55
/W1+ on Top: 47.25,30.57 44.45,30.57 44.45,27.42 45.7,27.42 46.15,27.27 46.75,27.27 46.75,28.17 47.25,28.67
/W1- on Top: 40.8,33.15 39,33.15 39,31.75 39.8,31.75 39.8,30.55 40.8,30.55
/W2+ on Top: 11.25,9.54 14.05,9.54 14.05,12.69 12.8,12.69 12.35,12.84 11.75,12.84 11.75,11.94 11.25,11.44
/W2- on Top: 17.7,6.95 19.5,6.95 19.5,8.35 18.7,8.35 18.7,9.55 17.7,9.55
Net-(D201-A2) on Top: 6.14,23.35 6.14,22.4 6.78,22.4 6.78,17.65 8.95,17.65 9.24,17.18 10.93,17.18 10.93,20.4 10.3,20.4 10.31,22.91 9.88,23.35
Net-(D301-A) on Top: 49.35,14.94 49.35,14.04 51.2,14.04 51.2,12.94 53.2,12.94 53.7,11.64 54.4,11.64 54.75,12.94 57.2,12.94 57.2,14.94
Net-(D401-A) on Top: 18.55,25.17 18.55,26.07 16.7,26.06 16.7,27.17 14.7,27.17 14.2,28.47 13.5,28.47 13.15,27.17 10.7,27.17 10.7,25.17
Net-(D501-A) on Top: 37.35,25.17 37.35,26.07 35.5,26.07 35.5,27.17 33.5,27.17 33,28.47 32.3,28.47 31.95,27.17 29.5,27.17 29.5,25.17
Net-(D601-A) on Top: 21.15,14.94 21.15,14.04 23,14.04 23,12.94 25,12.94 25.5,11.64 26.2,11.64 26.55,12.94 29,12.94 29,14.94
Net-(D701-A) on Top: 30.55,14.94 30.55,14.04 32.4,14.04 32.4,12.94 34.4,12.94 34.9,11.64 35.6,11.64 35.95,12.94 38.4,12.94 38.4,14.94
Net-(D801-A) on Top: 27.95,25.17 27.95,26.07 26.1,26.07 26.1,27.17 24.1,27.17 23.6,28.47 22.9,28.47 22.55,27.17 20.1,27.17 20.1,25.17
Net-(D901-A) on Top: 39.95,14.94 39.95,14.04 41.8,14.04 41.8,12.94 43.8,12.94 44.3,11.64 45,11.64 45.35,12.94 47.8,12.94 47.8,14.94
Net-(D1001-A) on Top: 46.75,25.17 46.75,26.07 44.9,26.07 44.9,27.17 42.9,27.17 42.4,28.47 41.7,28.47 41.35,27.17 38.9,27.17 38.9,25.17
Net-(D1101-A) on Top: 11.75,14.94 11.75,14.04 13.6,14.04 13.6,12.94 15.6,12.94 16.1,11.64 16.8,11.64 17.15,12.94 19.6,12.94 19.6,14.94

Small or netless copper shapes (teardrops, artwork), in the pictures only: 383 on Top, 43 on Bottom, 10 on In2.Cu

## Text on the board
User.Comments: FABRICATION NOTES / 1. BOARD VIEW FROM PRIMARY (FRONT/TOP) SIDE. / 2. ALL DIMENSIONS ARE IN MILLIMETERS UNLESS OTHERWISE NOTED. / BOARD DIMENSIONS: 86.0mm x 34.0mm. / BOARD OUTLINE AND CUTOUT TOLERANCE SHALL BE +/- 0.25mm. / 3. FABRICATE BOARD PER IPC-6012, TYPE 3, CLASS 2. / USE THE PROVIDED GERBER FILES AND NC DRILL DATA. / PDF FILES INCLUDED ARE FOR REFERENCE ONLY. / USE SUPPLIED IPC-356 NETLIST TO COMPARE WITH GERBER DATA PRIOR TO MANUFACTURING. / 4. STACKUP: / INSULATED METAL SUBSTRATE, ALUMINUM, DESIRED FINAL THICKNESS 1.6mm (+/- 10%) / PRIMARY   (F)      - 1 Oz. COPPER* (1/2oz base) / ------------------ - DIELECTRIC / ------------------ - ALUMINUM CORE 1.5mm NOMINAL / * 0.5 Oz. COPPER DEFINED AS 17.5um NOMINAL, 15um MINIMUM FINISHED COPPER THICKNESS. / * 1 Oz. COPPER DEFINED AS 35um NOMINAL, 25um MINIMUM FINISHED COPPER THICKNESS. / * 2 Oz. COPPER DEFINED AS 70um NOMINAL, 55um MINIMUM FINISHED COPPER THICKNESS. / 5. CONTROLLED IMPEDANCE REQUIREMENTS: / NONE / 6. BOARD SURFACE FINISH: / HASL LEAD-FREE / 7. SOLDER MASK: / GREEN COLOR / APPLY SOLDER MASK OVER BARE COPPER. / 8. SILKSCREEN: / WHITE NON-CONDUCTIVE INK / SILKSCREEN IS NOT PERMITTED ON ANY EXPOSED COPPER FEATURES. / OVERLAP ONTO NON-COMPONENT HOLES IS ALLOWED. / MINIMUM SILKSCREEN TEXT HEIGHT, AS DESIGNED, IS 1.0mm. / MINIMUM SILKSCREEN LINE THICKNESS, AS DESIGNED, IS 0.15mm. / 9. MINIMUM ANNULAR RING SHALL BE IN ACCORDANCE WITH IPC-6012 CLASS 2. / 10. MINIMUM TRACE WIDTH, AS DESIGNED, IS 0.15mm. / MINIMUM CLEARANCE, AS DESIGNED, IS 0.15mm. / 11. MINIMUM VIA DRILL, AS DESIGNED, IS 0.3mm. / MINIMUM VIA PAD DIAMETER, AS DESIGNED, IS 0.5mm.
F.Silkscreen: 25d902b big scanlight driver | CERN-OHL-W V2 | 2026-01-19 | made in China / RoHS compliant | J
